# Altium PCB 2-quilter-output.PcbDoc (part 11 of 26) (continued)
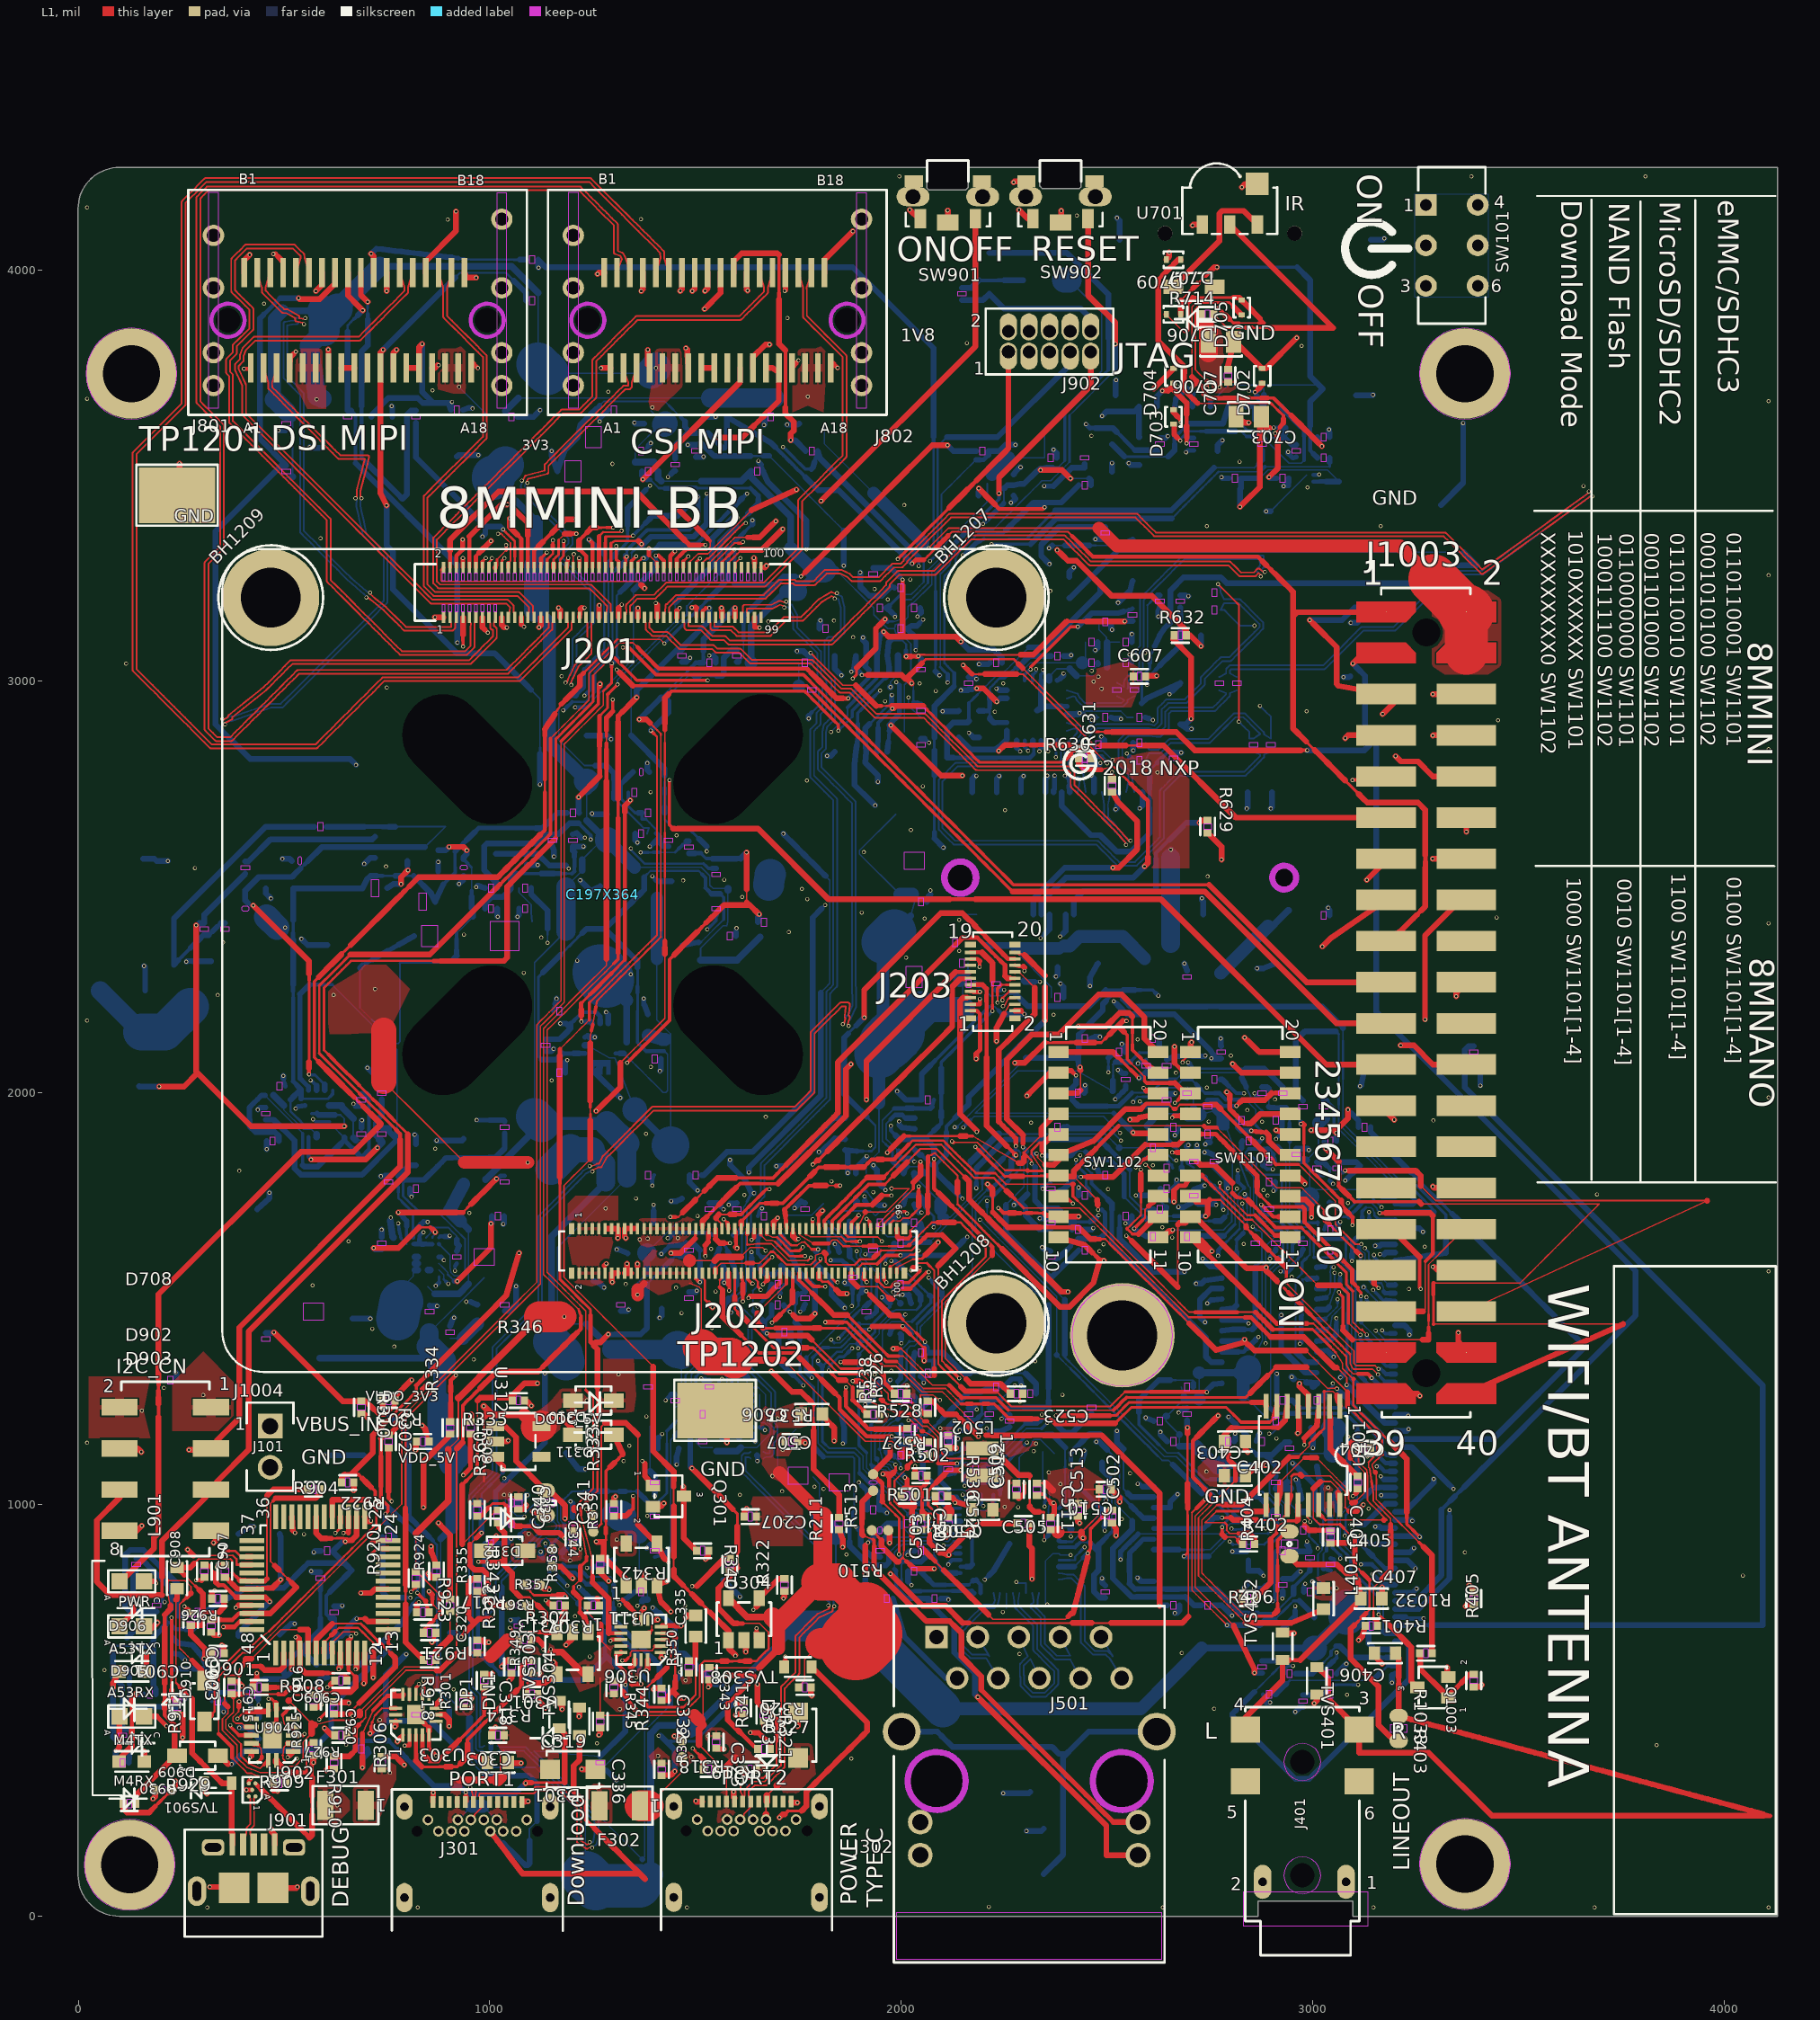
[diagram p0: L1 view]
## Nets (pads, with @x,y where several pads share a name; then routed paths per layer and width w, separated by ;. In a path a pad name is that pad's centre, name@x,y a point inside that pad or via, vN(x,y) a via of type N, cw(c..) or ccw(c..) an arc to the next point about the centre after c; other vN are vias at no path point) (continued)
I2C3_SCL_3V3: D1001.C J1001.50 J1003.5 J1004.3 J1004.4 R204.2 U203.11 | length 8968.1
  L1 w3.5: 1147.94,2861.1 1158.33,2871.49 1168.73,2881.89 1179.12,2892.28 1189.52,2902.68 1199.91,2913.07 1210.31,2923.46 1220.7,2933.86 1231.1,2944.25 1241.49,2954.65 1241.49,2967.54 1241.49,2980.43 1241.49,2993.32 1241.49,3006.21 1241.49,3019.1
  L1 w3.83: 1241.49,3019.1 1252.13,3029.73 1262.76,3040.37 1273.4,3051 1284.03,3061.64 1294.67,3072.27 1305.3,3082.91 1315.94,3093.54 1326.73,3093.54 1337.51,3093.54 1348.28,3093.54 1358.81,3083.02
  L1 w5.87: 585.98,2096.09 585.98,2111.04 585.98,2126 585.98,2140.95 585.98,2155.9 585.98,2170.86 585.98,2185.81 585.98,2200.76 585.98,2215.72 585.98,2230.67 585.98,2245.62 585.98,2260.57
  L1 w6.9: 585.98,2096.09 596.87,2085.2 607.76,2074.31 618.66,2063.41 629.55,2052.52 640.44,2041.63 651.33,2030.74 662.22,2019.85 673.12,2008.95 684.01,1998.06 ; 585.98,2260.57 596.75,2271.34 607.51,2282.11 618.28,2292.88 629.05,2303.65 639.82,2314.41 650.59,2325.18 661.64,2336.24 ; 694.9,1987.17 705.79,1976.28 716.68,1965.39 727.58,1954.49 738.47,1943.6 749.36,1932.71 760.25,1921.82 771.14,1910.93
  L1 w7.92: 1025.32,2506.76 1036.47,2517.91 1047.62,2529.05 1058.76,2540.2 1069.91,2551.35 1081.06,2562.49 1092.2,2573.64 1103.35,2584.79 1114.5,2595.93 1125.65,2607.08 1136.79,2618.23 1147.94,2629.37 1147.94,2644.82 1147.94,2660.27 1147.94,2675.72 1147.94,2691.17 1147.94,2706.61 1147.94,2722.06 1147.94,2737.51 1147.94,2752.96 1147.94,2768.41 1147.94,2783.86 1147.94,2799.3 1147.94,2814.75 1147.94,2830.2 1147.94,2845.65 1147.94,2861.1
  L1 w8.94: 684.01,1998.06 694.9,1987.17
  L1 w9.96: 771.14,1910.93 782.04,1900.03 782.04,1885.88 ; 1358.81,3083.02 1369.33,3072.5 1379.85,3061.98 1390.37,3051.45 1400.89,3040.93 1411.41,3030.41 1427.06,3030.41 1442.71,3030.41 1458.36,3030.41 1474.02,3030.41 1489.67,3030.41 1505.32,3030.41 1520.97,3030.41 1536.62,3030.41 1552.27,3030.41 1567.93,3030.41 1583.58,3030.41 1599.23,3030.41 1614.88,3030.41 1630.53,3030.41 1646.18,3030.41 1661.84,3030.41 1677.49,3030.41 1693.14,3030.41 1708.79,3030.41 1724.44,3030.41 1740.09,3030.41 1755.75,3030.41 1771.4,3030.41
  L1 w10.99: 1771.4,3030.41 1781.64,3020.17 ; 1858.66,2958.69 v1(1871.38,2958.69)
  L1 w12.01: 1014.18,2495.61 1025.32,2506.76
  L1 w14.05: J1004.4@100.38,1135.79 144.98,1135.79 v1(153.42,1127.35) ; v1(269.34,1132.2) 319.3,1132.2 J1004.3@322.88,1135.79 337.56,1155.79 391.28,1209.51 391.28,1429.56 782.04,1820.32 782.04,1829.25 782.04,1843.4 782.04,1857.56 782.04,1871.72 782.04,1885.88 ; 661.64,2336.24 854.81,2336.24 1014.17,2495.6 ; 1781.64,3020.17 1791.89,3009.92 1802.14,2999.67 1812.38,2989.43 1822.63,2979.18 1832.88,2968.94 1843.12,2958.69 1858.66,2958.69 ; v1(2993.57,3148.61) 3007.13,3135.06 3058.66,3083.52 3058.66,2993.39 3063.29,2988.76 J1003.5@3179.19,2968.79 3202.75,2952.53 v1(3170.67,2920.46)
  L3 w3.5: 2440.7,3041.13 2440.7,3056.17 2440.7,3071.21 2440.7,3086.25 2440.7,3101.29 2440.7,3116.33 2440.7,3131.37 2440.7,3146.41 2440.7,3161.45 2440.7,3176.49 2440.7,3191.53 2440.7,3206.57 2440.7,3221.61 2440.7,3236.65 2440.7,3251.69 2440.7,3266.74 2440.7,3281.78 2440.7,3296.82 2440.7,3311.86 2440.7,3326.9 2451.78,3315.83 2462.85,3304.76 2473.91,3293.7 2484.98,3282.63 2496.05,3271.56 2507.12,3260.49 2518.19,3249.42 2529.26,3238.35 2540.33,3227.29 2551.39,3216.22 2562.46,3205.15 2573.53,3194.08 2584.6,3183.01 2595.67,3171.94 2606.74,3160.87 2617.8,3149.81 2628.87,3138.74 2639.94,3127.67 2651.01,3116.6 2662.08,3105.53 2673.15,3094.46 2684.22,3083.4 2695.28,3072.33 2706.35,3061.26 2717.42,3050.19 2728.49,3039.12 2739.56,3028.05 2750.63,3016.98 2761.7,3005.92 2772.76,2994.85 2783.83,2983.78 2794.9,2972.71 2805.97,2961.64 2817.04,2950.57 2828.11,2939.51 2839.17,2928.44 2850.24,2917.37 2861.31,2906.3
  L3 w3.83: 2216.16,2949.98 2227.04,2960.86 2237.92,2971.74
  L3 w4.85: 2237.92,2971.74 2248.79,2982.61
  L3 w5.87: 2248.79,2982.61 2263.62,2982.61
  L3 w6.9: 2352.55,2982.61 2367.37,2982.61 2382.19,2982.61 2391.94,2992.37 ; 2411.44,3011.87 2421.2,3021.62 2430.95,3031.37
  L3 w7.92: 2401.69,3002.12 2411.44,3011.87
  L3 w9.96: 2205.28,2939.1 2216.16,2949.98
  L3 w10.99: 2391.94,2992.37 2401.69,3002.12 ; 2430.95,3031.37 2440.7,3041.13
  L3 w12.01: 2194.41,2928.23 2205.28,2939.1 ; 2337.72,2982.61 2352.55,2982.61
  L3 w13.03: 2293.26,2982.61 2308.08,2982.61
  L3 w14.05: v1(153.42,1127.35) 158.27,1132.2 v1(269.34,1132.2) ; v1(1900.54,3264.31) 1903.72,3261.14 1903.72,3110.37 ; v1(1907.26,3106.5) 1903.71,3110.05 1903.71,3110.37 ; 2194.41,2928.23 2183.53,2917.35 2172.65,2906.47 2161.77,2895.59 2150.89,2884.71 2140.02,2873.84 2129.14,2862.96 2118.26,2852.08 2107.38,2841.2 2096.5,2830.33 2085.63,2819.45 2074.75,2808.57 2063.87,2797.69 2052.99,2786.81 2042.12,2775.94 1921.79,2896.25 1921.79,3082.46 1909.66,3101.19 1903.71,3110.37 ; 2263.62,2982.61 2278.44,2982.61 2293.26,2982.61 ; 2308.08,2982.61 2322.9,2982.61 2337.72,2982.61 ; 2861.31,2906.3 3210.75,2906.3 ; v1(3170.67,2920.46) 3184.83,2906.3 3210.75,2906.3 ; v1(3252.98,794.68) 3424.31,966 3424.31,2692.75 3210.75,2906.3
  L8 w8.94: v1(1871.38,2958.69) v1@1871.38,2958.87
  L8 w9.96: v1@1871.38,2958.87 1881.99,2969.48 1892.6,2980.08 1903.21,2990.69 1913.81,3001.3 1921.59,3009.07 1921.59,3017.75 1921.59,3027.72
  L8 w14.05: v1(1900.54,3264.31) 1900.54,3230.16 1900.59,3230.12 1923.16,3207.54 1953.44,3207.54 1976.43,3230.53 R204.2@1983.79,3227.79 ; v1(1907.26,3106.5) 1907.26,3099.95 1915.61,3091.6 U203.11@1915.61,3062.02 1913.04,3036.27 1921.59,3027.72 ; v1(2993.57,3148.61) 3013.05,3148.61 3072.25,3148.61 3102.75,3179.11 D1001.C@3109.98,3179.11 ; J1001.50@3200.73,784.93 3243.23,784.92 v1(3252.98,794.68)
I2C3_SDA: J201.28 R207.2 R807.2 U201.23 U203.5 | length 4213.4
  L1 w9.96: J201.28@1092.53,3276.42 1092.54,3291.88 1092.54,3307.34 1092.54,3322.8 1092.54,3338.26 1092.54,3353.72
  L1 w14.05: v1(1058.78,3418.4) 1070.03,3407.15 1092.54,3384.64 1092.54,3369.18 1092.54,3353.72
  L3 w7.92: 1941.13,2985.48 v1(1949.09,2977.52)
  L3 w14.05: v1(1058.78,3418.4) 1147.27,3506.92 1413.5,3506.92 v1(1481.55,3574.96) ; 1941.13,2985.48 1941.13,3172.06 v1(1967.81,3198.74)
  L6 w3.5: 2515.93,2007.38 2515.93,2022.98 2515.93,2038.59 2515.93,2054.2 2515.93,2069.8 2515.93,2085.41 2515.93,2101.02 2515.93,2116.62 2515.93,2132.23 2515.93,2147.83 2515.93,2163.44 ; 2644.16,1770 2655.12,1759.04 2666.09,1748.08 2677.05,1737.12 2688.01,1726.16 2698.97,1715.2 2709.93,1704.24 2720.89,1693.28 2731.85,1682.32 2742.81,1671.36 2753.77,1660.39 2764.73,1649.43 2775.7,1638.47 2786.66,1627.51 2797.62,1616.55 2808.58,1605.59 2819.54,1594.63 2830.5,1583.67 2841.46,1572.71 2852.42,1561.75 2863.38,1550.78 2863.82,1550.34 ; 2924.03,1552.1 2933.88,1561.95 2943.72,1571.8 2953.57,1581.65 2963.42,1591.49 2973.27,1601.34 2974.16,1602.95
  L6 w3.83: 2961.93,1602.97 2974.15,1602.97
  L6 w5.87: 2526.62,1996.69 2537.3,1986 ; 2547.99,1975.32 2558.67,1964.63 ; 2622.79,1900.51 2633.48,1889.83 ; 2924.03,1536.78 2924.03,1552.1
  L6 w6.9: 2515.93,2007.38 2526.62,1996.69 ; 2612.11,1911.2 2622.79,1900.51
  L6 w7.92: v1(1860.81,3280.73) 1876.3,3280.73 ; v1(1936.81,2698.41) 1947.27,2687.95 ; 2558.67,1964.63 2569.36,1953.94 2580.05,1943.26 2590.73,1932.57 2601.42,1921.89 2612.11,1911.2 ; 2926.97,1592.44 2937.5,1602.97 2949.71,1602.97 2961.93,1602.97
  L6 w8.94: 2001.58,3195.8 2011.11,3186.27 2020.64,3176.75 2030.17,3167.22 v1(2039.7,3157.69) ; 2391.93,2394.7 2402.76,2383.87 ; v1(2924.03,1460.18) 2924.03,1475.5
  L6 w9.96: 2125.15,2394.7 2140.84,2394.7 2156.54,2394.7 ; 2297.77,2394.7 2313.47,2394.7 2329.16,2394.7 2344.85,2394.7 2360.54,2394.7 2376.24,2394.7 2391.93,2394.7
  L6 w10.99: 2633.48,1889.83 2644.16,1879.14 ; 2644.17,1840.38 2644.17,1854.45 2644.17,1868.53 ; 2905.92,1571.39 2916.45,1581.92
  L6 w12.01: 2532.73,2209.7 2532.73,2224.44 2532.73,2239.17 ; 2644.17,1770.01 2644.17,1784.09 2644.17,1798.16 2644.17,1812.23 2644.17,1826.31 2644.17,1840.38 ; 2924.03,1475.5 2924.03,1490.82 2924.03,1506.14 2924.03,1521.46 2924.03,1536.78
  L6 w13.03: 2282.08,2394.7 2297.77,2394.7 ; 2402.76,2383.87 2413.59,2373.04 ; 2537.3,1986 2547.99,1975.32 ; 2895.4,1560.87 2905.92,1571.39
  L6 w14.05: 1876.3,3280.73 1891.8,3280.73 1907.29,3280.73 1966.62,3221.4 ; 1947.27,2687.95 1957.72,2677.49 1968.18,2667.03 1978.64,2656.58 1989.1,2646.12 1999.55,2635.66 2010.01,2625.2 2020.47,2614.75 2030.93,2604.29 2041.39,2593.83 2051.84,2583.37 2051.84,2468 2125.14,2394.7 ; 1966.63,3221.39 1966.63,3204.79 ; v1(1967.81,3198.74) 1967.81,3203.61 1966.64,3204.78 ; 2001.58,3195.8 2000.11,3195.8 1966.64,3204.78 ; 2156.54,2394.7 2172.23,2394.7 2187.92,2394.7 2203.61,2394.7 2219.31,2394.7 2235,2394.7 2250.69,2394.7 2266.39,2394.7 2282.08,2394.7 ; 2413.59,2373.04 2424.42,2362.21 2435.25,2351.37 2446.08,2340.54 2456.91,2329.71 2467.74,2318.88 2478.58,2308.05 2489.41,2297.22 2500.24,2286.39 2511.07,2275.56 2521.9,2264.73 2532.73,2253.9 2532.73,2239.17 ; 2515.93,2163.44 2532.73,2180.24 2532.73,2194.97 2532.73,2209.7 ; 2644.16,1868.53 2644.16,1879.14 ; 2863.82,1550.34 2884.87,1550.34 ; 2884.88,1550.35 2895.4,1560.87 ; 2916.45,1581.92 2926.97,1592.44
  L8 w3.5: 1679.54,3547.65 1690.2,3536.99 1700.86,3526.32 1711.53,3515.66 1722.19,3505 1732.85,3494.33 1743.52,3483.67 1754.18,3473.01 1764.84,3462.35 1775.51,3451.68 1786.17,3441.02 1796.83,3430.36 1807.5,3419.69 1818.16,3409.03 1828.82,3398.37 1839.49,3387.7 1850.15,3377.04 1860.81,3366.38
  L8 w4.85: 1649.78,3547.65 1664.66,3547.65
  L8 w5.87: 1634.9,3547.65 1649.78,3547.65
  L8 w7.92: 1894.52,2897.37 1894.52,2910.16 1894.52,2922.95 1904.75,2933.18 1914.98,2943.41 1925.21,2953.64 1935.45,2963.88 1942.27,2970.7 v1(1949.09,2977.52)
  L8 w9.96: v1(2039.7,3157.69) 2048.26,3166.24
  L8 w10.99: U203.5@1894.52,2859.02 1894.52,2871.8 1894.52,2884.59 1894.52,2897.37
  L8 w12.01: U203.5@1892.27,2844.02 U203.5@1894.52,2859.02
  L8 w13.03: 1664.66,3547.65 1679.54,3547.65
  L8 w14.05: v1(1481.55,3574.96) 1481.92,3574.59 R807.2@1500.89,3574.59 1514.57,3578.68 1533.42,3559.83 ; 1533.43,3559.83 1545.61,3547.65 1560.5,3547.65 1575.38,3547.65 1590.26,3547.65 1605.14,3547.65 1620.02,3547.65 1634.9,3547.65 ; v1(1860.81,3280.73) 1860.81,3301.49 1860.81,3366.38 ; U203.5@1892.27,2844.02 U203.5@1890.01,2829.02 1887.02,2799.02 1887.02,2748.19 1924.36,2710.85 v1(1936.81,2698.41) ; R207.2@2046.49,3177.99 2048.26,3172.06 2048.26,3166.24 ; v1(2924.03,1460.18) 2924.03,1441.05 2924.03,1378.58 2982.94,1319.67 U201.23@3010.29,1319.67
I2C3_SDA_3V3: D1002.C J1001.51 J1003.3 J1004.5 J1004.6 R208.2 U203.10 | length 8687.7
  L1 w3.5: 1251.63,3014.18 1262.23,3024.78 1272.83,3035.38 1283.43,3045.98 1294.03,3056.59
  L1 w3.83: 2295.84,3031.67 2306.88,3020.63 2317.92,3009.6 2328.95,2998.56 2339.99,2987.52 2351.03,2976.48 2362.07,2965.44 2373.11,2954.4 2384.14,2943.37 2395.18,2932.33 2406.22,2921.29 2417.26,2910.25 2428.3,2899.21 2439.34,2888.18 2450.37,2877.14
  L1 w4.85: 2450.37,2877.14 2466.03,2877.14 ; 2481.68,2877.14 2497.33,2877.14
  L1 w5.87: 607.89,2092.85 597.14,2103.6 597.14,2118.76 597.14,2133.93 597.14,2149.09 597.14,2164.25 597.14,2179.42 597.14,2194.58 597.14,2209.74 597.14,2224.91 597.14,2240.07 597.14,2255.23 608.05,2266.14 618.96,2277.06 629.87,2287.97 640.78,2298.88 651.69,2309.79 662.61,2320.7 678.12,2320.7 693.64,2320.7 709.16,2320.7 724.68,2320.7 740.2,2320.7 755.72,2320.7 771.23,2320.7 786.75,2320.7 802.27,2320.7 817.79,2320.7 833.31,2320.7 848.83,2320.7 864.34,2320.7 ; 769.13,1931.61 779.88,1920.86 790.62,1910.11 801.37,1899.36 ; 2050.53,3044.02 2060.26,3053.75 2075.52,3053.75 2090.77,3053.75 2106.02,3053.75 2121.27,3053.75 2136.52,3053.75 2151.77,3053.75 2167.02,3053.75 2182.27,3053.75 2197.52,3053.75 2212.77,3053.75 2228.02,3053.75 2243.26,3053.75 2258.51,3053.75 2273.76,3053.75 2284.8,3042.71
  L1 w6.9: 203.61,779.13 203.61,793.54 203.61,808.24 203.61,822.95 ; 683.13,2017.61 693.88,2006.86 704.63,1996.11 715.38,1985.36 ; 1160.63,2619.06 1160.63,2634.08 1160.63,2649.11 1160.63,2664.13 1160.63,2679.16 1160.63,2694.18 1160.63,2709.21 1160.63,2724.23 1160.63,2739.26 1160.63,2754.28 1160.63,2769.31 1160.63,2784.33 1160.63,2799.36 1160.63,2814.38 1160.63,2829.41 1160.63,2844.43 1160.63,2859.46 1170.74,2869.57 1180.85,2879.68 1190.96,2889.79 1201.07,2899.9 1211.18,2910.01 1221.29,2920.12 1231.4,2930.23 1241.51,2940.34 1251.63,2950.45 1251.63,2963.2 1251.63,2975.94 1251.63,2988.69 1251.63,3001.43 1251.63,3014.18 ; 1294.03,3056.59 1303.66,3056.59 ; 2466.03,2877.14 2481.68,2877.14
  L1 w7.92: 1314.48,3045.76 1325.3,3034.94 1336.13,3024.12 1346.95,3013.29 1357.77,3002.47 1373.5,3002.47 1389.23,3002.47 1404.96,3002.47 1420.69,3002.47 1436.42,3002.47 1452.15,3002.47 1467.88,3002.47 1483.61,3002.47 1499.34,3002.47 1515.07,3002.47 v1(1530.07,3002.47) ; v1(1904.8,3015.19) 1918.62,3015.19
  L1 w8.94: 607.89,2092.85 618.64,2082.1 629.39,2071.35 640.13,2060.6 650.88,2049.85 661.63,2039.11 672.38,2028.36 683.13,2017.61 ; 715.38,1985.36 726.13,1974.61 736.88,1963.86 747.63,1953.11 758.38,1942.36 769.13,1931.61 ; 1303.66,3056.59 1314.48,3045.76 ; 2972.03,2832.45 v1(2987.23,2832.45)
  L1 w10.99: 864.34,2320.7 879.86,2320.7
  L1 w12.01: 1094.9,2553.33 1105.85,2564.28 1116.81,2575.24 ; 1149.68,2608.1 1160.63,2619.06 ; 2497.33,2877.14 2512.99,2877.14
  L1 w13.03: 879.86,2320.7 895.38,2320.7 910.9,2320.7 926.42,2320.7 941.94,2320.7 957.45,2320.7 972.97,2320.7 988.49,2320.7 1004.01,2320.7 1019.53,2320.7 1035.05,2320.7 1042.79,2328.44 ; 2284.8,3042.71 2295.84,3031.67
  L1 w14.05: J1004.6@100.38,1035.79 100.37,1015.97 44.93,960.53 44.93,811.83 77.63,779.13 203.61,779.13 ; 203.61,822.95 203.61,837.65 203.61,852.36 203.61,867.06 203.61,881.76 203.61,896.47 203.61,911.17 308.23,1015.79 J1004.5@322.88,1035.79 337.56,1055.79 413.9,1132.13 413.9,1419.66 801.37,1807.13 801.37,1899.36 ; 1042.79,2328.44 1042.79,2501.21 1062.03,2520.46 1072.99,2531.42 1083.94,2542.37 1094.9,2553.33 ; 1116.81,2575.24 1127.77,2586.19 1138.72,2597.15 1149.68,2608.1 ; 1918.62,3015.19 1932.44,3015.19 1946.25,3015.19 1960.07,3015.19 1973.89,3015.19 1987.7,3015.19 2001.52,3015.19 2011.61,3005.1 ; v1(2026.05,2995.12) 2016.07,3005.1 2011.61,3005.1 ; 2050.53,3044.02 2040.8,3034.29 2031.07,3024.56 2021.34,3014.83 2011.61,3005.1 ; 2512.99,2877.14 2528.64,2877.14 2544.29,2877.14 2559.94,2877.14 2575.6,2877.14 2591.25,2877.14 2606.9,2877.14 2622.56,2877.14 2638.21,2877.14 2669.05,2877.14 2713.74,2832.45 2728.94,2832.45 2744.13,2832.45 2759.33,2832.45 2774.52,2832.45 2789.71,2832.45 2804.91,2832.45 2820.1,2832.45 2835.29,2832.45 2850.49,2832.45 2865.68,2832.45 2880.87,2832.45 2896.07,2832.45 2911.26,2832.45 2926.45,2832.45 2941.65,2832.45 2956.84,2832.45 2972.03,2832.45 ; v1(3097.97,3043.28) 3123.46,3068.78 J1003.3@3179.19,3068.79
  L6 w14.05: v1(1530.07,3002.47) 1616.99,3089.39 1812.94,3089.39 v1(1878.88,3023.44)
  L8 w3.83: v1(2026.05,2995.12) 2030.01,2991.16 2030.01,2977.17
  L8 w4.85: 2030.01,2949.21 2030.01,2963.19 2030.01,2977.17
  L8 w8.94: 3313.77,987.03 3324.73,997.99 3335.69,1008.96 ; 3346.66,1019.92 3357.63,1030.89
  L8 w9.96: v1(1878.88,3023.44) 1885.18,3029.75
  L8 w10.99: v1(1904.8,3015.19) v1@1904.8,3016.02 ; 2030.01,2949.21 R208.2@2039.16,2946.46 ; 3357.63,1030.89 3368.59,1041.86
  L8 w13.03: 1897.41,3023.42 v1@1904.8,3016.02
  L8 w14.05: 1885.18,3029.75 U203.10@1890.01,3062.02 1890.02,3030.81 1897.41,3023.42 ; R208.2@2039.16,2946.46 R208.2@2048.32,2943.73 ; v1(2987.23,2832.45) 3126.2,2832.45 3155.11,2861.36 ; v1(3097.97,3043.28) 3109.83,3031.42 3127.69,3013.56 D1002.C@3127.7,3011.97 3127.69,2888.78 3143.97,2872.5 3155.11,2861.36 ; J1001.51@3200.73,765.25 3250.89,765.24 3313.77,828.12 3313.77,987.03 ; 3335.69,1008.96 3346.66,1019.92 ; 3368.59,1041.86 3379.56,1052.82 3390.53,1063.79 3401.49,1074.76 3412.46,1085.72 3423.43,1096.69 3434.39,1107.66 3445.36,1118.62 3456.33,1129.59 3467.29,1140.56 3478.26,1151.52 3489.23,1162.49 3500.19,1173.46 3511.16,1184.42 3522.13,1195.39 3533.09,1206.36 3544.06,1217.32 3555.03,1228.29 3565.99,1239.26 3576.96,1250.22 3587.93,1261.19 3598.89,1272.16 3609.86,1283.12 3620.83,1294.09 3631.79,1305.06 3642.76,1316.02 3653.73,1326.99 3664.69,1337.96 3675.66,1348.92 3686.63,1359.89 3697.59,1370.86 3708.56,1381.82 3719.53,1392.79 3730.49,1403.76 3741.46,1414.72 3752.43,1425.69 3763.39,1436.65 3774.36,1447.62 3785.33,1458.59 ; 3785.32,1458.6 3785.32,1567.4 3155.11,2197.61 3155.11,2842.48 3155.11,2861.36
I2C4_SCL: D603.C J201.30 R632.2 | length 1854.7
  L1 w9.96: J201.30@1108.28,3276.42 1108.29,3290.2 1108.29,3303.98 1108.29,3317.76 1119.13,3328.61 ; 1129.97,3339.45 1140.82,3350.29 1151.66,3361.14
  L1 w14.05: 1119.13,3328.61 1129.97,3339.45 ; 1151.66,3361.14 1162.5,3371.98 1173.35,3382.82 1184.19,3393.67 1198.25,3393.67 v1(1209.23,3393.67) ; v1(2379.74,3318.86) 2392.07,3306.52 2405.42,3293.18 2426.36,3293.18 2512.09,3207.44 2609.74,3207.44 2693.44,3123.74 R632.2@2693.44,3111.58 2702.45,3111.57 2715.64,3098.38 v1(2728.83,3085.19)
  L3 w3.5: 1600.09,3351.77 1615.65,3351.77 1631.2,3351.77 1646.76,3351.77 1662.32,3351.77 1677.87,3351.77 1693.43,3351.77 1708.99,3351.77 1724.54,3351.77 1740.1,3351.77 1755.66,3351.77 1771.21,3351.77 1786.77,3351.77 1802.33,3351.77 1817.88,3351.77 1833.44,3351.77 1849,3351.77 1864.55,3351.77 1880.11,3351.77 1895.67,3351.77 1911.22,3351.77 1926.78,3351.77 1942.34,3351.77 1957.89,3351.77 1973.45,3351.77 1989.01,3351.77 2004.56,3351.77 2020.12,3351.77 2035.68,3351.77 2051.23,3351.77 2066.79,3351.77 2082.35,3351.77 2097.9,3351.77 2113.46,3351.77 2129.02,3351.77 2144.57,3351.77 2160.13,3351.77 2175.69,3351.77 2191.24,3351.77 2206.8,3351.77 2222.36,3351.77 2237.92,3351.77 2253.47,3351.77 2269.03,3351.77 2284.59,3351.77 2300.14,3351.77 2315.7,3351.77 2331.26,3351.77 2346.81,3351.77 2357.79,3340.8 2368.77,3329.83 v1(2379.74,3318.86)
  L3 w3.83: v1(1209.23,3393.67) 1224.41,3393.67 1239.58,3393.67 1254.75,3393.67 1269.92,3393.67 1285.09,3393.67 1300.27,3393.67 1315.44,3393.67 1330.61,3393.67 1345.78,3393.67 1360.95,3393.67 1376.13,3393.67 1391.3,3393.67 1406.47,3393.67 1421.64,3393.67 1436.81,3393.67 1451.99,3393.67 ; 1543.02,3393.67 1558.19,3393.67
  L3 w4.85: 1451.99,3393.67 1467.16,3393.67 1482.33,3393.67 1497.5,3393.67 1512.67,3393.67 1527.85,3393.67 1543.02,3393.67
  L3 w7.92: 1558.19,3393.67 1568.66,3383.19 1579.13,3372.72 1589.61,3362.25
  L3 w14.05: 1589.61,3362.25 1600.08,3351.77
  L8 w14.05: D603.C@2728.68,3111.58 2728.68,3098.47 2728.83,3098.31 v1(2728.83,3085.19)
I2C4_SDA: J201.34 U202.6 | length 3353.3
  L1 w5.87: 1139.78,3296.25 1146.69,3303.16 1153.6,3310.07 1153.6,3320.72
  L1 w6.9: J201.34@1139.77,3276.42 1139.78,3286.33 1139.78,3296.25
  L1 w7.92: 1153.6,3331.36 v1(1153.6,3342.81)
  L1 w10.99: 1153.6,3320.72 1153.6,3331.36
  L3 w4.85: 1628.28,2596.93 1639.43,2585.78
  L3 w5.87: 1762.11,2463.1 1773.26,2451.94
  L3 w6.9: 1617.13,2608.08 1628.28,2596.93 ; 1750.96,2474.25 1762.11,2463.1 ; 1773.26,2451.94 1784.42,2440.79 1795.57,2429.64 1806.72,2418.49 1817.87,2407.33 1829.03,2396.18 1840.18,2385.03 1851.33,2373.88 1862.48,2362.72 1873.64,2351.57 1884.79,2340.42 1895.94,2329.27 1907.09,2318.11 1918.25,2306.96 1929.4,2295.81 1940.55,2284.65 1951.71,2273.5 1962.86,2262.35 1974.01,2251.2 1985.16,2240.04 1996.32,2228.89 2007.47,2217.74 2018.62,2206.59 2029.77,2195.43 2040.93,2184.28 2052.08,2173.13 2063.23,2161.98 2074.38,2150.82 2085.54,2139.67 2096.69,2128.52 2107.84,2117.36 2119,2106.21 2130.15,2095.06 2141.3,2083.91 2152.45,2072.75 2163.61,2061.6 2174.76,2050.45 2185.91,2039.3 2197.06,2028.14 2197.06,2012.63 2197.06,1997.12 2197.06,1981.61 2197.06,1966.1 2197.06,1950.59 2197.06,1935.08 2197.06,1919.57 2197.06,1904.06 2197.06,1888.55 2197.06,1873.04 2197.06,1857.52 2197.06,1842.01 2197.06,1826.5 2197.06,1810.99 2197.06,1795.48 2197.06,1779.97 2197.06,1764.46 2188.04,1755.44
  L3 w7.92: 2179.02,1746.41 2170,1737.39 2183.14,1737.38 2196.27,1737.38 v1(2209.41,1737.38)
  L3 w8.94: 1153.6,3160.87 1153.6,3176.03 1153.6,3191.19 ; 1153.6,3327.65 v1(1153.6,3342.81) ; 2179.02,1746.41 2188.04,1755.44
  L3 w9.96: 1153.6,3297.33 1153.6,3312.49 1153.6,3327.65
  L3 w10.99: 1639.43,2585.78 1650.58,2574.62
  L3 w13.03: 1444.49,2641.54 1459.96,2641.54
  L3 w14.05: 1153.6,3160.87 1153.6,3145.7 1153.6,3130.54 1153.6,3115.38 1153.6,3100.22 1153.6,3085.05 1153.6,3069.89 1367.17,2856.33 1367.17,2641.56 ; 1153.6,3191.19 1153.6,3206.35 1153.6,3221.52 1153.6,3236.68 1153.6,3251.84 1153.6,3267 1153.6,3282.16 1153.6,3297.33 ; 1367.18,2641.54 1382.64,2641.54 1398.1,2641.54 1413.57,2641.54 1429.03,2641.54 1444.49,2641.54 ; 1459.96,2641.54 1475.42,2641.54 1490.89,2641.54 1506.35,2641.54 1521.81,2641.54 1537.28,2641.54 1552.74,2641.54 1568.2,2641.54 1583.67,2641.54 1594.82,2630.39 1605.97,2619.23 1617.13,2608.08 ; 1650.58,2574.62 1661.74,2563.47 1672.89,2552.32 1684.04,2541.17 1695.19,2530.01 1706.35,2518.86 1717.5,2507.71 1728.65,2496.56 1739.8,2485.4 1750.96,2474.25
  L8 w3.5: 2209.41,1721.88 2209.41,1709.77 2209.41,1697.67 2209.41,1685.56 2220.49,1674.48 2231.58,1663.39 2242.67,1652.31 2253.75,1641.22 2264.84,1630.13 2275.93,1619.05 2287.01,1607.96 2298.1,1596.88 2309.18,1585.79 2320.27,1574.7 2331.36,1563.62 2342.44,1552.53 2353.53,1541.44 2364.61,1530.36 2375.7,1519.27 2386.79,1508.19 2397.87,1497.1
  L8 w3.83: 2408.88,1346.82 2419.88,1335.81 2430.88,1324.81 2441.89,1313.81 2452.89,1302.81 2463.89,1291.8 2474.89,1280.8 2485.9,1269.8 2496.9,1258.8 2507.9,1247.79 2518.9,1236.79 2529.91,1225.79 2540.91,1214.79 2551.91,1203.78 2562.91,1192.78 2573.92,1181.78 2584.92,1170.78 2595.92,1159.77 2606.92,1148.77 2617.93,1137.77 2628.93,1126.77 2639.93,1115.76 2654.35,1115.76 2668.76,1115.76 2679.43,1105.09 2690.11,1094.42 2700.78,1083.75 2711.45,1073.08 2722.12,1062.41 2732.79,1051.73 2743.47,1041.06 2754.14,1030.39 2764.81,1019.72 2775.48,1009.05 2786.15,998.37 2796.83,987.7 2807.5,977.03
  L8 w5.87: 2397.88,1363.6 2397.88,1357.82 2408.88,1346.82
  L8 w7.92: 2209.41,1721.88 v1(2209.41,1737.38)
  L8 w9.96: 2807.5,977.03 U202.6@2818.17,966.36
  L8 w12.01: U202.6@2818.17,966.36 2831.17,966.36 U202.6@2844.15,966.37
  L8 w14.05: 2397.87,1363.61 2397.87,1497.1
ILIM_5V_VBUS1: U303.6
ILIM_5V_VBUS2: U306.6
IOEXP_NINT: J202.44 U201.1 | length 1764.8
  L1 w3.5: J202.44@1548.53,1571.92 1555.47,1578.87 1562.42,1585.81 ; 1655.47,1585.81 1664.79,1595.13 1674.11,1604.45 1683.43,1613.77 ; 1791.94,1594 1791.94,1605.22
  L1 w3.83: 1562.42,1585.81 1577.93,1585.81 1593.44,1585.81 1608.94,1585.81 1624.45,1585.81 ; 1639.96,1585.81 1655.47,1585.81 ; 1765.47,1582.28 1780.22,1582.28 ; 1791.94,1605.22 1802.48,1608.45 1813.03,1611.67 ; 1823.54,1581.79 1835.68,1581.79 1848.58,1581.79 1861.48,1581.79 1874.38,1581.79 1887.28,1581.79 ; 2090.32,1340.74 2090.32,1355.66 2090.32,1370.58 2090.32,1385.51 2090.32,1400.43 2090.32,1415.36 2090.32,1430.28 2090.32,1445.21 2090.32,1460.13 2090.32,1475.06 2090.32,1489.98 2090.32,1504.91 2090.32,1519.83 2090.32,1534.75 2090.32,1549.68 2090.32,1564.6 2090.32,1579.53 ; 2283.13,1237.84 2298.16,1237.84
  L1 w4.85: 1689.73,1613.77 1700.22,1603.27 ; 1710.72,1592.78 1721.22,1582.28 1735.97,1582.28 1750.72,1582.28 1765.47,1582.28 ; 1780.22,1582.28 1786.08,1588.14 1791.94,1594 ; 1816.65,1588.68 1823.54,1581.79 ; 1951.34,1617.06 1966.32,1617.06 1981.29,1617.06 1996.26,1617.06 2011.24,1617.06 2026.21,1617.06 2035.56,1626.42 2044.92,1635.77 ; 2090.32,1340.74 2101.35,1329.7 2112.39,1318.67 2123.42,1307.63 2134.45,1296.6 2145.49,1285.56 ; 2231.41,1274.53 2240.58,1265.36 2249.75,1256.19 2258.92,1247.01 2268.09,1237.84 2283.13,1237.84 ; 2298.16,1237.84 2313.19,1237.84 2328.22,1237.84 2343.25,1237.84 2358.28,1237.84 2373.31,1237.84 2388.34,1237.84 2403.37,1237.84 2418.4,1237.84 2433.44,1237.84 2448.47,1237.84 2463.5,1237.84 2478.53,1237.84 2493.56,1237.84 2508.59,1237.84 2517.52,1246.77 2526.45,1255.7 2535.38,1264.64 2544.32,1273.57
  L1 w5.87: 1816.65,1588.68 1816.65,1597.98 ; 1887.28,1581.79 1894.13,1588.64 1900.97,1595.49 1915.37,1595.49 1929.76,1595.49 1934.94,1600.66 ; 1942.6,1608.32 1951.34,1617.06
  L1 w6.9: 1683.43,1613.77 1689.73,1613.77 ; 1700.22,1603.27 1710.72,1592.78 ; 1816.65,1597.98 1816.65,1608.05
  L1 w7.92: 2544.32,1273.57 2559.56,1273.57 2574.8,1273.57 2590.04,1273.57 2605.29,1273.57 ; v1@2742.47,1273.57 v1(2743.34,1272.7)
  L1 w9.96: 2044.92,1635.77 2054.27,1645.13 ; 2605.29,1273.57 2620.53,1273.57 2635.77,1273.57 2651.02,1273.57 2666.26,1273.57 2681.5,1273.57 2696.75,1273.57 2711.99,1273.57 2727.23,1273.57 v1@2742.47,1273.57
  L1 w10.99: 1624.45,1585.81 1639.96,1585.81 ; 2054.27,1645.13 2063.63,1654.48 2075.7,1654.48 2087.77,1654.48 2099.84,1654.48
  L1 w13.03: J202.44@1548.51,1561.94 J202.44@1548.53,1571.92 ; 2145.49,1285.56 2156.52,1274.53 2171.5,1274.53 2186.48,1274.53 2201.45,1274.53 2216.43,1274.53 2231.41,1274.53
  L1 w14.05: 1813.03,1611.67 1816.65,1608.05 ; 1934.95,1600.66 1942.6,1608.32 ; 2090.32,1579.53 2132.54,1621.75 2099.84,1654.48
  L8 w8.94: v1(2743.34,1272.7) v1@2743.34,1276.28
  L8 w14.05: v1@2743.34,1276.28 2759.08,1292.03 U201.1@2779.79,1294.08
IR_CAP: D709.A J202.42